# Altium PCB PCB3.PcbDoc (part 4 of 4) (continued)
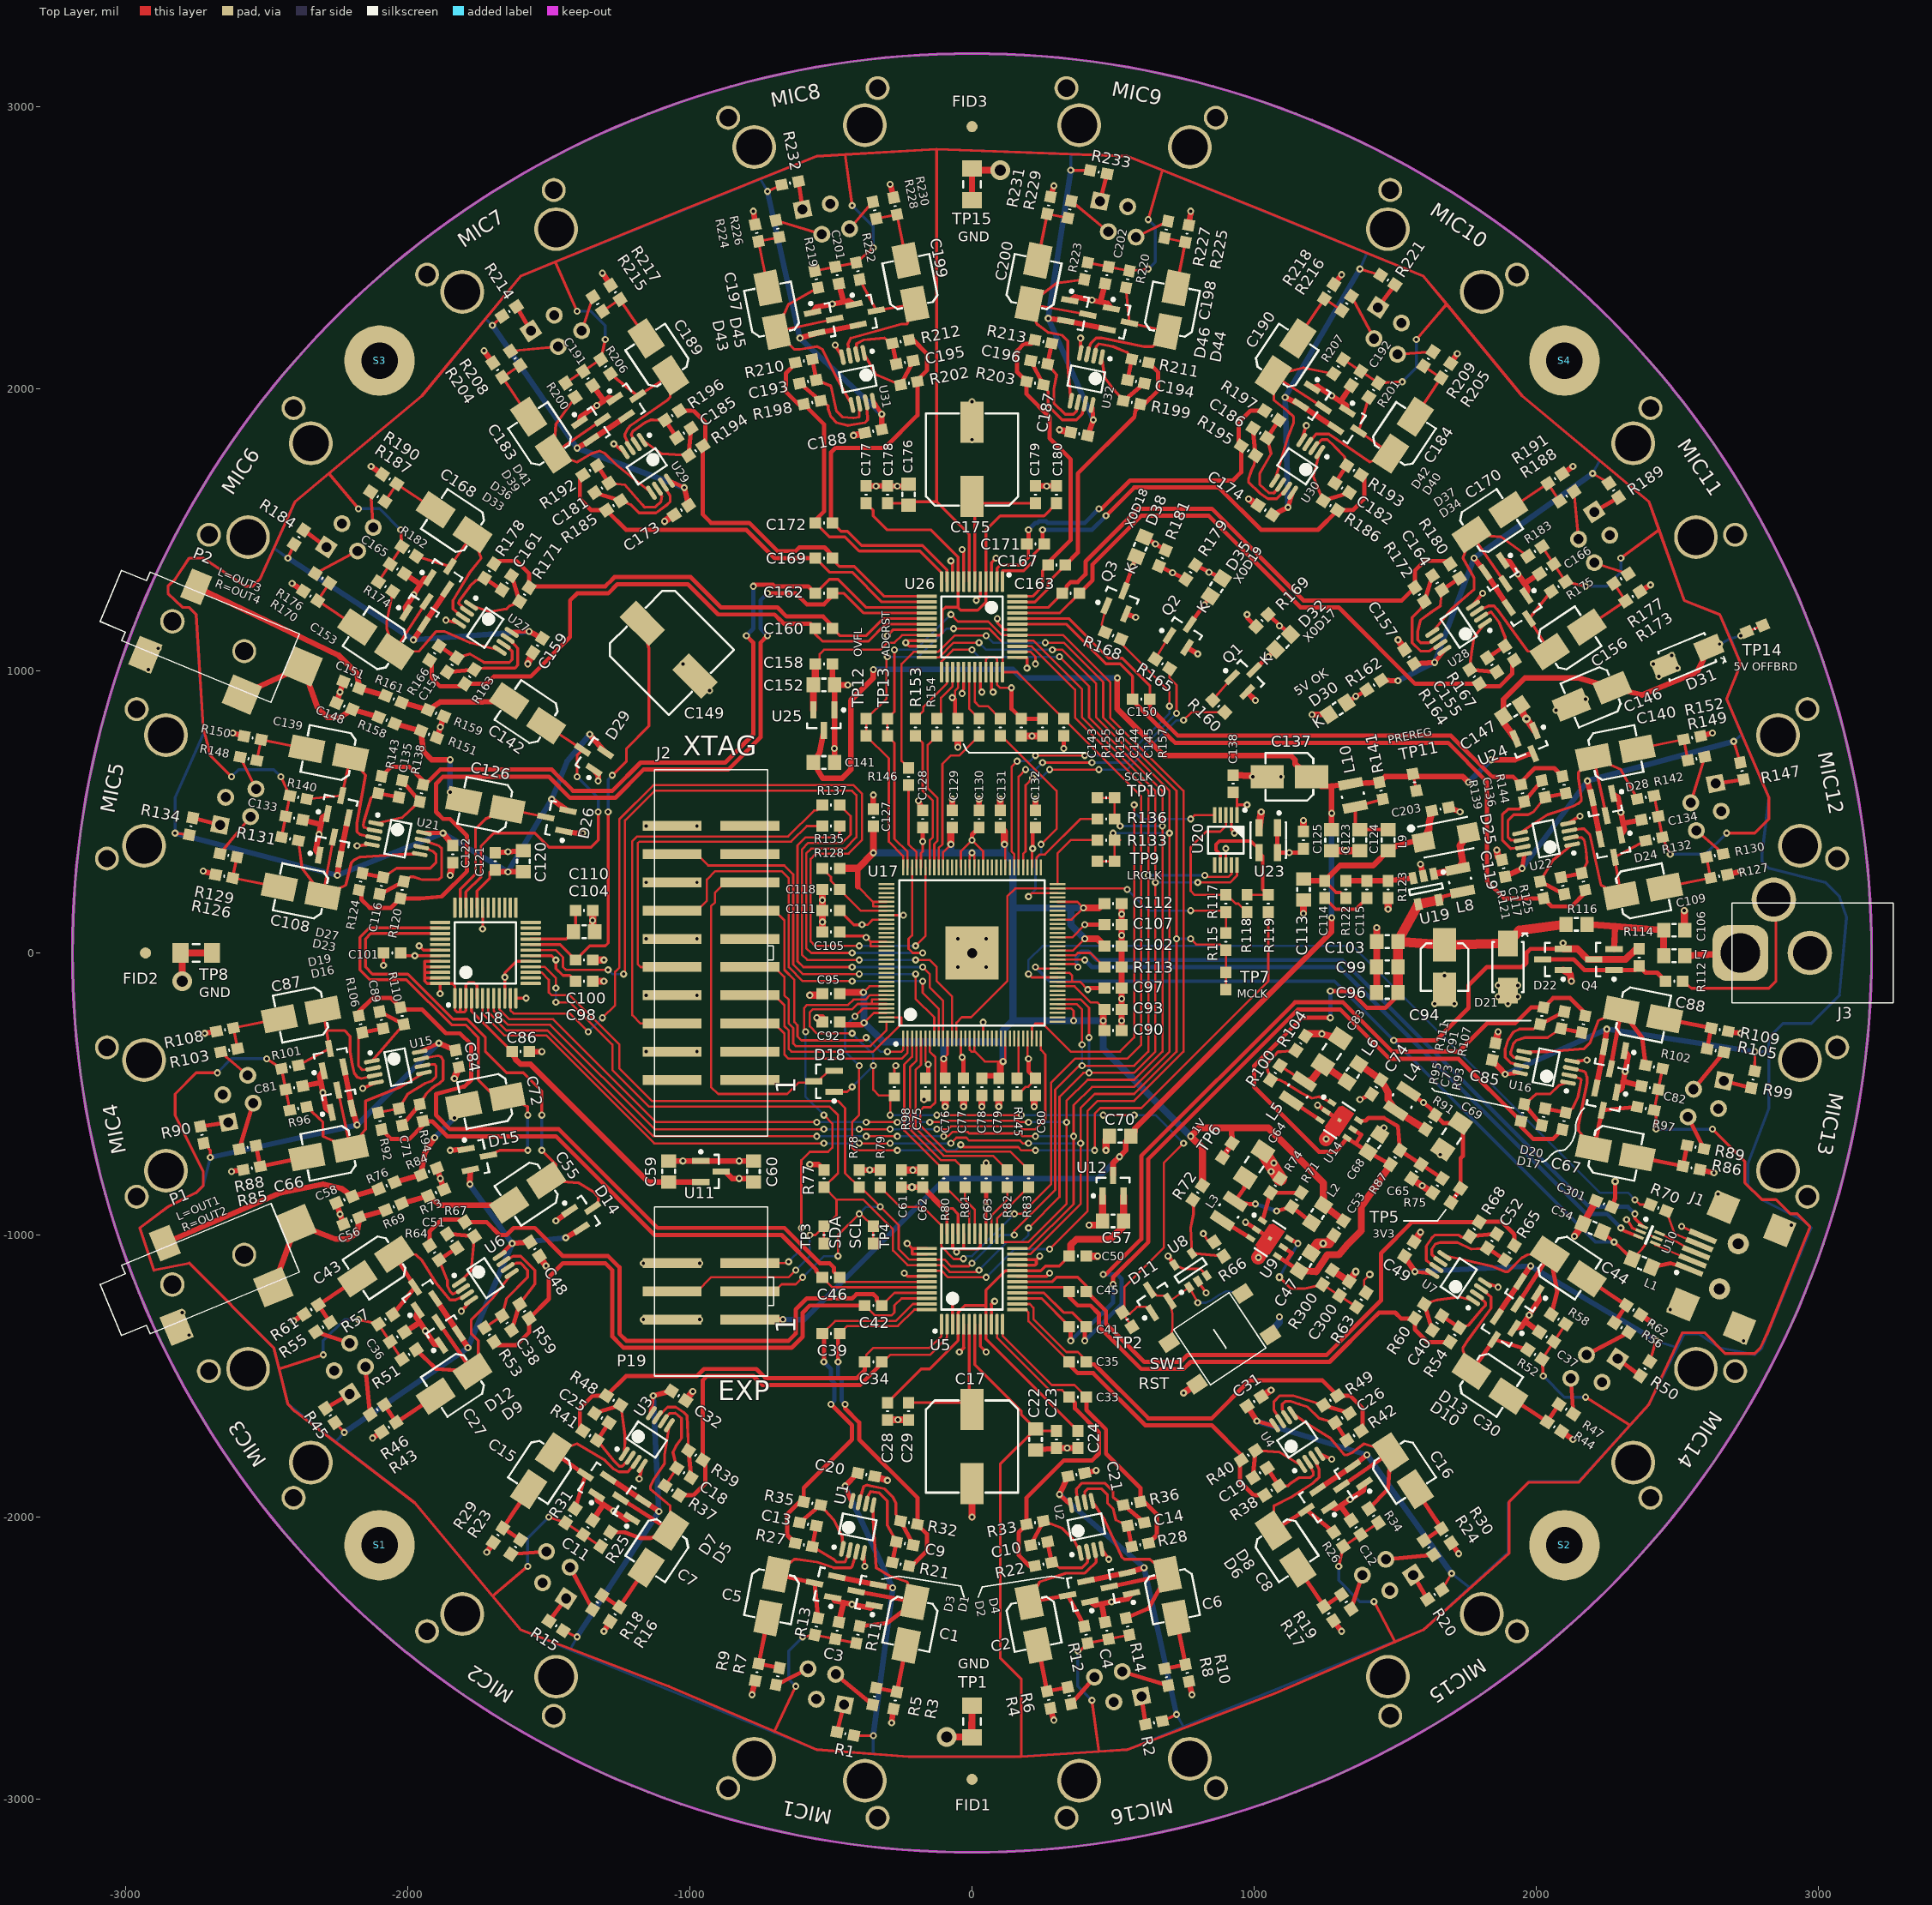
[diagram p0: Top Layer view]
## Nets (pads, with @x,y where several pads share a name; then routed paths per layer and width w, separated by ;. In a path a pad name is that pad's centre, name@x,y a point inside that pad or via, vN(x,y) a via of type N, cw(c..) or ccw(c..) an arc to the next point about the centre after c; other vN are vias at no path point) (continued)
  Bottom Layer w8: v1(-425,-475) v1(-350,-400) -350,-360 v1(-425,-285) ; v1(-290,-575) v1(-125,-575) ; v1(175,-575) v1(465,-575) ; v1(575,-575) 650,-575 v1(750,-675)
NetD11_2: D11.2 D11.3 SW1.1 SW2.1 U8.1 | length 554.9
  Top Layer w8: D11.3@629.77,-1194.72 634.72,-1194.72 655,-1215 681.83,-1215 D11.2@701.33,-1234.5 ; SW1.1@699.03,-1381.36 710,-1335 710,-1280 D11.2@701.33,-1234.5 ; v1(800,-1240) U8.1@770.15,-1185.06 D11.2@701.33,-1234.5
  Bottom Layer w8: v1(800,-1240) 830,-1240 850,-1230 880,-1210 900,-1200 910,-1200 SW2.1@959.27,-1207.47
NetD22_3: D22.3 Q4.G R112.2 R114.1 | length 478.8
  Top Layer w15: D22.3@2022.88,-22.96 2132.96,-22.96 2170.55,-60.55 Q4.G@2276,-60.55 2350.7,-60.55 R114.1@2364.39,-46.85 2387.54,-70 2428.93,-70 R112.2@2458.6,-99.68
NetD25_A: D25.A L8.2 U19.1 | length 231
  Top Layer w25: U19.1@1636.61,280.08 L8.2@1722.17,298.01 1740,320 1730,380 D25.A@1759.44,425.8
NetD30_A: D30.A D103.A R162.1 | length 125.8
  Top Layer w15: D30.A@1327.34,886.9 R162.1@1399.63,933.05
  Bottom Layer w15: D103.A@1327.34,886.9 v1(1360,910)
NetD32_A: D32.A D100.A R169.1 | length 156
  Top Layer w15: R169.1@1050,1200 D32.A@1128.81,1128.81
  Bottom Layer w15: v1(1090,1160) D100.A@1128.81,1128.81
NetD32_K: D32.K D100.K Q1.D | length 141.9
  Top Layer w15: Q1.D@1000.06,1002.95 D32.K@1075.92,1075.92
  Bottom Layer w15: v1(1050,1050) D100.K@1075.92,1075.92
NetD35_A: D35.A D102.A R179.1 | length 158.5
  Top Layer w15: R179.1@791.95,1375.37 D35.A@886.9,1327.34
  Bottom Layer w15: v1(840,1350) D102.A@886.9,1327.34
NetD35_K: D35.K D102.K Q2.D | length 162.9
  Top Layer w15: Q2.D@771.56,1164.78 822.67,1234.3 D35.K@845.34,1265.14
  Bottom Layer w15: v1(823.61,1233.61) D102.K@845.34,1265.14
NetD38_A: D38.A D101.A R181.1 | length 135.3
  Top Layer w15: D38.A@610.91,1474.86 R181.1@686.68,1428.19
  Bottom Layer w15: D101.A@610.91,1474.86 v1(650,1450)
NetD38_K: D38.K D101.K Q3.D | length 167.4
  Top Layer w15: Q3.D@538.94,1283.65 569.64,1370.13 D38.K@582.28,1405.75
  Bottom Layer w15: v1(570,1370) D101.K@582.28,1405.75
NetJ1_1: J1.1 L1.2 | length 137.7
  Top Layer w15: L1.2@2409.55,-1114.31 2475,-1100 J1.1@2542.39,-1121.27
NetJ1_4: J1.4 R70.1 | length 181.3
  Top Layer w8: R70.1@2460.99,-915.61 2490,-995 J1.4@2578.55,-1033.98
NetJ3_1: J3.1 L7.1 | length 197.6
  Top Layer w25: L7.1@2526.61,-9.54 J3.1@2723.94,0
NetJ3_3: J3.3 R112.1 | length 639.3
  Top Layer w10: R112.1@2519.63,-99.68 2550,-125 2825,-125 2850,-100 2850,110 J3.3@2842.05,188.98
NetL3_1: L3.1 U9.3 | length 118
  Top Layer w15: L3.1@887.66,-949.34 U9.3@987.89,-1011.58
NetL5_1: L5.1 U14.3 | length 123
  Top Layer w15: L5.1@1132.03,-524.37 U14.3@1234.29,-592.67
NetMIC1_1: MIC1.1 R1.1 | length 100.2
  Top Layer w15: R1.1@-478.64,-2762.46 MIC1.1@-453.72,-2665.45
NetMIC1_2: MIC1.2 R5.1 | length 170.2
  Top Layer w15: MIC1.2@-483.25,-2557.62 R5.1@-351.84,-2665.85
NetMIC1_4: MIC1.4 R7.1 | length 126.7
  Top Layer w15: R7.1@-694.58,-2594.87 MIC1.4@-581.33,-2538.11
NetMIC2_1: MIC2.1 R15.1 | length 100.2
  Top Layer w15: R15.1@-1499.35,-2369.01 MIC2.1@-1439.21,-2288.93
NetMIC2_2: MIC2.2 R18.1 | length 170.2
  Top Layer w15: MIC2.2@-1425.23,-2178 R18.1@-1345.24,-2328.28
NetMIC2_4: MIC2.4 R23.1 | length 126.7
  Top Layer w15: R23.1@-1634.72,-2131.54 MIC2.4@-1508.37,-2122.44
NetMIC3_1: MIC3.1 R45.1 | length 100.2
  Top Layer w15: R45.1@-2291.8,-1614.9 MIC3.1@-2205.59,-1563.93
NetMIC3_2: MIC3.2 R46.1 | length 170.2
  Top Layer w15: MIC3.2@-2150.22,-1466.8 R46.1@-2133.83,-1636.25
NetMIC3_4: MIC3.4 R55.1 | length 126.7
  Top Layer w15: R55.1@-2325.99,-1343.71 MIC3.4@-2205.78,-1383.65
NetMIC4_1: MIC4.1 R90.1 | length 100.2
  Top Layer w15: R90.1@-2735.35,-614.94 MIC4.1@-2636.19,-600.84
NetMIC4_2: MIC4.2 R88.1 | length 170.2
  Top Layer w15: R88.1@-2597.57,-695.12 MIC4.2@-2547.87,-532.29
NetMIC4_4: MIC4.4 R103.1 | length 126.7
  Top Layer w10: R103.1@-2663.15,-351.3 MIC4.4@-2567.38,-434.21
NetMIC5_1: MIC5.1 R134.1 | length 100.2
  Top Layer w15: R134.1@-2762.46,478.64 MIC5.1@-2665.46,453.72
NetMIC5_2: MIC5.2 R129.1 | length 170.2
  Top Layer w10: R129.1@-2665.85,351.83 MIC5.2@-2557.62,483.25
NetMIC5_4: MIC5.4 R148.1 | length 126.7
  Top Layer w10: R148.1@-2594.87,694.58 MIC5.4@-2538.11,581.33
NetMIC6_1: MIC6.1 R184.1 | length 100.2
  Top Layer w15: R184.1@-2369.03,1499.35 MIC6.1@-2288.93,1439.21
NetMIC6_2: MIC6.2 R176.1 | length 170.2
  Top Layer w10: R176.1@-2328.28,1345.24 MIC6.2@-2178,1425.23
NetMIC6_4: MIC6.4 R187.1 | length 126.7
  Top Layer w10: R187.1@-2131.54,1634.72 MIC6.4@-2122.44,1508.37
NetMIC7_1: MIC7.1 R214.1 | length 100.1
  Top Layer w15: R214.1@-1614.91,2291.8 MIC7.1@-1563.94,2205.59
NetMIC7_2: MIC7.2 R208.1 | length 170.2
  Top Layer w10: R208.1@-1636.25,2133.83 MIC7.2@-1466.81,2150.22
NetMIC7_4: MIC7.4 R215.1 | length 126.7
  Top Layer w10: MIC7.4@-1383.66,2205.78 R215.1@-1343.71,2325.99
NetMIC8_1: MIC8.1 R232.1 | length 100.2
  Top Layer w15: R232.1@-614.94,2735.35 MIC8.1@-600.84,2636.19
NetMIC8_2: MIC8.2 R226.1 | length 170.2
  Top Layer w10: R226.1@-695.12,2597.57 MIC8.2@-532.29,2547.87
NetMIC8_4: MIC8.4 R228.1 | length 126.7
  Top Layer w10: MIC8.4@-434.21,2567.38 R228.1@-351.3,2663.15
NetMIC9_1: MIC9.1 R233.1 | length 100.2
  Top Layer w15: MIC9.1@453.72,2665.46 R233.1@478.64,2762.46
NetMIC9_2: MIC9.2 R229.1 | length 170.2
  Top Layer w10: R229.1@351.84,2665.85 MIC9.2@483.25,2557.62
NetMIC9_4: MIC9.4 R227.1 | length 126.7
  Top Layer w10: MIC9.4@581.33,2538.11 R227.1@694.58,2594.87
NetMIC10_1: MIC10.1 R221.1 | length 100.2
  Top Layer w15: MIC10.1@1439.21,2288.93 R221.1@1499.35,2369.03
NetMIC10_2: MIC10.2 R216.1 | length 170.2
  Top Layer w10: R216.1@1345.24,2328.28 MIC10.2@1425.23,2178
NetMIC10_4: MIC10.4 R209.1 | length 126.7
  Top Layer w10: MIC10.4@1508.37,2122.44 R209.1@1634.72,2131.54
NetMIC11_1: MIC11.1 R189.1 | length 100.2
  Top Layer w15: MIC11.1@2205.59,1563.93 R189.1@2291.8,1614.91
NetMIC11_2: MIC11.2 R188.1 | length 170.2
  Top Layer w10: R188.1@2133.83,1636.25 MIC11.2@2150.22,1466.8
NetMIC11_4: MIC11.4 R177.1 | length 126.7
  Top Layer w10: MIC11.4@2205.78,1383.65 R177.1@2325.99,1343.71
NetMIC12_1: MIC12.1 R147.1 | length 100.2
  Top Layer w15: MIC12.1@2636.19,600.84 R147.1@2735.35,614.96
NetMIC12_2: MIC12.2 R149.1 | length 170.2
  Top Layer w10: MIC12.2@2547.87,532.29 R149.1@2597.57,695.12
NetMIC12_4: MIC12.4 R130.1 | length 126.7
  Top Layer w10: MIC12.4@2567.38,434.21 R130.1@2663.15,351.3
NetMIC13_1: MIC13.1 R99.1 | length 100.2
  Top Layer w15: MIC13.1@2665.45,-453.72 R99.1@2762.46,-478.64
NetMIC13_2: MIC13.2 R105.1 | length 170.2
  Top Layer w15: MIC13.2@2557.62,-483.25 R105.1@2665.85,-351.84
NetMIC13_4: MIC13.4 R89.1 | length 126.7
  Top Layer w15: MIC13.4@2538.11,-581.33 R89.1@2594.87,-694.58
NetMIC14_1: MIC14.1 R50.1 | length 100.2
  Top Layer w15: MIC14.1@2288.93,-1439.21 R50.1@2369.01,-1499.35
NetMIC14_2: MIC14.2 R56.1 | length 170.2
  Top Layer w15: MIC14.2@2178,-1425.23 R56.1@2328.28,-1345.24
NetMIC14_4: MIC14.4 R47.1 | length 126.7
  Top Layer w15: MIC14.4@2122.44,-1508.37 R47.1@2131.54,-1634.72
NetMIC15_1: MIC15.1 R20.1 | length 100.2
  Top Layer w15: MIC15.1@1563.93,-2205.59 R20.1@1614.9,-2291.8
NetMIC15_2: MIC15.2 R24.1 | length 170.2
  Top Layer w15: MIC15.2@1466.8,-2150.22 R24.1@1636.25,-2133.83
NetMIC15_4: MIC15.4 R19.1 | length 126.7
  Top Layer w15: R19.1@1343.71,-2325.99 MIC15.4@1383.65,-2205.78
NetMIC16_1: MIC16.1 R2.1 | length 100.2
  Top Layer w15: MIC16.1@600.84,-2636.19 R2.1@614.94,-2735.35
NetMIC16_2: MIC16.2 R8.1 | length 170.2
  Top Layer w15: MIC16.2@532.29,-2547.87 R8.1@695.12,-2597.57
NetMIC16_4: MIC16.4 R6.1 | length 126.7
  Top Layer w15: R6.1@351.3,-2663.15 MIC16.4@434.21,-2567.38
NetP19_5: P19.5 U17.122 | length 1493.5
  Top Layer w8: P19.5@-787.05,-1100 -655,-1100 v1(-650,-1095) ; v1(-605,-975) -605,-735 -575,-705 -510,-705 -495,-690 -495,-605 v1(-525,-575) ; v1(-590,-280) -595,-275 -595,-195 -584.5,-184.5 -439.5,-184.5 -420,-165 -376.77,-165 -361.37,-149.61 U17.122@-303.15,-149.61
  Bottom Layer w8: v1(-650,-1095) -605,-1050 v1(-605,-975) ; v1(-590,-280) -590,-510 v1(-525,-575)
NetQ1_G: Q1.G R160.2 | length 106.4
  Top Layer w8: R160.2@853.42,896.58 Q1.G@922.11,977.89
NetQ2_G: Q2.G R165.2 | length 97.1
  Top Layer w8: R165.2@649.63,1041.95 Q2.G@700,1125
NetQ3_G: Q3.G R168.2 | length 98.4
  Top Layer w8: R168.2@471.81,1136.68 460,1165 Q3.G@476.51,1230.67
NetR66_1: R66.1 R72.2 U8.4 | length 303.3
  Top Layer w10: R72.2@783.05,-875.37 785,-925 775,-975 U8.4@779.85,-1064.94 R66.1@891.95,-1075.37
NetR70_2: R70.2 U17.43 | length 2763.2
  Top Layer w8: v1(200,-75) 211.61,-86.61 U17.43@303.15,-86.61 ; v1(2350,-875) 2367.26,-892.26 R70.2@2404.61,-892.26
  Bottom Layer w8: v1(200,-75) 200,-25 250,25 1350,25 2225,-850 2325,-850 v1(2350,-875)
NetR71_2: R71.2 R74.1 U9.1 | length 212
  Top Layer w15: U9.1@1029.45,-949.38 R74.1@1058.05,-850.37 R71.2@1166.95,-849.63
NetR79_2: R79.2 R157.2 TP12.1 TP12.2 U5.36 U17.96 U26.36 | length 4569.1
  Top Layer w8: R79.2@-325,-830.51 -255.51,-900 -175,-900 -108.27,-966.73 U5.36@-108.27,-995.67 -108.27,-1041.73 -65,-1085 -35,-1085 -30.83,-1080.83 v1(-30.83,-1084.17) ; v1(-300,1050) -303.15,1046.85 -303.15,901.85 -375,830 TP12.1@-375,769.49 -295,689.49 -295,395 -244.09,344.09 U17.96@-244.09,303.15 ; v1(-65,1150) 60,1150 108.27,1101.73 U26.36@108.27,995.67 159.84,995.67 R157.2@325,830.51 600,555.51 600,-325 550,-375 365,-375 280,-460 280,-820 175,-925 v1(150,-925)
  Bottom Layer w8: v1(-300,1050) -190,1050 -90,1150 v1(-65,1150) ; v1(-30.83,-1084.17) -30.83,-1080.83 -25,-1075 0,-1075 v1(150,-925)
NetR80_1: R80.1 U5.31 | length 205.7
  Top Layer w8: R80.1@-100,-830.51 -94.49,-830.51 -9.84,-915.16 U5.31@-9.84,-995.67
NetR81_1: R81.1 U5.30 | length 179.6
  Top Layer w8: R81.1@-25,-830.51 -25,-875 9.84,-909.84 U5.30@9.84,-995.67
NetR82_1: R82.1 U5.27 | length 188.4
  Top Layer w8: U5.27@68.9,-995.67 68.9,-931.1 125,-875 R82.1@125,-830.51
NetR83_1: R83.1 U5.26 | length 211.3
  Top Layer w8: U5.26@88.58,-995.67 88.58,-941.93 R83.1@200,-830.51
NetR100_2: R100.2 R104.1 U14.1 | length 420.6
  Top Layer w10: R104.1@1148.05,-345.37 1095,-350 1085,-350 1045,-395 1045,-405 R100.2@1058.05,-450.37 1085,-450 1090,-450 1110,-460 1165,-495 1205,-515 1230,-510 U14.1@1275.85,-530.47
NetR113_2: R113.2 U17.48 | length 190.3
  Top Layer w8: U17.48@303.15,-7.87 367.13,-7.87 375,0 419.49,0 R113.2@469.49,-50
NetR117_1: R117.1 R118.2 U20.3 | length 580.9
  Top Layer w8: U20.3@900,488.58 900,450 880,430 830,430 775,375 775,220 789.49,205.51 R117.1@900,205.51 904.49,205.51 935,175 944.49,175 R118.2@975,144.49
NetR118_1: R118.1 R119.1 U20.7 U23.3 | length 500.1
  Top Layer w8: R118.1@975,205.51 R119.1@1050,205.51
  Top Layer w11: U20.7@880.32,311.42 880.32,349.69
  Top Layer w12: 880.32,349.69 865,365 865,385 877,397 988,397 1017.52,367.48 U23.3@1017.52,355.71 1030,343.23 1030,225.51 R119.1@1050,205.51
NetR119_2: R119.2 U17.125 | length 2699
  Top Layer w8: v1(-415,-225) -386.85,-196.85 U17.125@-303.15,-196.85 ; v1(-400,-400) -400,-575 -425,-600 -425,-690 -415,-700 v1(-265,-700) ; v1(-40,-680) -31.5,-688.5 163.5,-688.5 175,-700 v1(225,-700) ; v1(435,-700) 435,-570 455,-550 600,-550 1050,-100 R119.2@1050,144.49
  Bottom Layer w8: v1(-415,-225) -450,-260 -450,-350 v1(-400,-400) ; v1(-265,-700) -60,-700 v1(-40,-680) ; v1(225,-700) v1(435,-700)
NetR133_2: R133.2 U17.64 | length 269.8
  Top Layer w8: U17.64@303.15,244.09 303.15,353.15 350,400 R133.2@444.49,400
NetR135_2: R135.2 U17.10 | length 1340.9
  Top Layer w8: R135.2@-469.49,450 -469.49,420.51 -480,410 -590,410 -618.5,381.5 -618.5,-29.6 -598.1,-50 v1(-425,-50) ; v1(-175,-50) -150,-75 -150,-122 -102.36,-169.64 U17.10@-102.36,-303.15
  Bottom Layer w8: v1(-425,-50) v1(-175,-50)
NetR136_2: R136.2 U17.66 | length 307.4
  Top Layer w8: U17.66@228.35,303.15 228.35,337.35 240,349 259,349 385,475 R136.2@444.49,475
NetR137_2: R137.2 U17.12 | length 1461.2
  Top Layer w8: R137.2@-469.49,525 -430,485.51 -430,420 -460,390 -580,390 -603,367 -603,-6.1 -584.1,-25 v1(-400,-25) ; v1(-200,-25) -150,-25 -125,-50 -125,-100 -70.87,-154.13 U17.12@-70.87,-303.15
  Bottom Layer w8: v1(-400,-25) v1(-200,-25)
NetR145_2: R145.2 U17.27 | length 143.6
  Top Layer w8: R145.2@160,-444.49 165.35,-439.13 U17.27@165.35,-303.15
NetR146_1: R146.1 U17.93 | length 303
  Top Layer w8: R146.1@-225,594.49 -225,385 -196.85,356.85 U17.93@-196.85,303.15
NetR153_1: R153.1 U26.26 | length 211.3
  Top Layer w8: R153.1@-200,830.51 -172.15,858.37 -172.15,872.85 -88.58,956.42 U26.26@-88.58,995.67
NetR154_1: R154.1 U26.27 | length 188.4
  Top Layer w8: R154.1@-125,830.51 -110,845.51 -110,905 -68.9,946.1 U26.27@-68.9,995.67
NetR155_1: R155.1 U26.30 | length 179.6
  Top Layer w8: U26.30@-9.84,995.67 -9.84,865.35 R155.1@25,830.51
NetR156_1: R156.1 U26.31 | length 220.4
  Top Layer w8: U26.31@9.84,995.67 9.84,890.16 25,875 55.51,875 R156.1@100,830.51
NetR160_1: R160.1 U17.69 | length 1109.2
  Top Layer w8: U17.69@181.1,303.15 181.1,351.1 189.77,359.77 189.77,594.77 v1(215,620) ; v1(275,650) v1(450,650) ; v1(750,825) 778.42,853.42 R160.1@896.58,853.42
  Bottom Layer w8: v1(215,620) 245,620 v1(275,650) ; v1(450,650) 550,650 725,825 v1(750,825)
NetR165_1: R165.1 U17.70 | length 1143.2
  Top Layer w8: U17.70@165.35,303.15 165.35,625.35 v1(190,650) ; v1(250,675) v1(425,675) ; R165.1@700.37,1008.05 700.37,974.63 725,950 v1(725,850)
  Bottom Layer w8: v1(190,650) 225,650 v1(250,675) ; v1(425,675) 550,675 v1(725,850)
NetR168_1: R168.1 U17.71 | length 1334
  Top Layer w8: U17.71@149.61,303.15 149.61,350.39 140,360 140,660 v1(160,680) ; v1(225,700) v1(400,700) ; R168.1@528.19,1113.32 528.19,1096.81 700,925 v1(700,875)
  Bottom Layer w8: v1(160,680) 205,680 v1(225,700) ; v1(400,700) 550,700 700,850 v1(700,875)
NetTP13_1: TP13.1 TP13.2 U5.41 U17.95 U26.41 | length 4605.2
  Top Layer w8: v1(-275,1075) -275,855 -300,830 TP13.1@-300,769.49 -275,744.49 -275,405 -228.35,358.35 U17.95@-228.35,303.15 ; U5.41@-160.43,-1126.57 -108.43,-1126.57 -85,-1150 v1(50,-1150) ; v1(-75,1200) -50,1175 57.63,1175 106.05,1126.57 U26.41@160.43,1126.57 323.43,1126.57 490,960 490,835 750,575 750,-350 575,-525 445,-525 410,-560 410,-915 v1(275,-1050)
  Bottom Layer w8: v1(-275,1075) -200,1075 v1(-75,1200) ; v1(50,-1150) 150,-1050 v1(275,-1050)
NetU17_15: U17.15
NetU17_18: U17.18
NetU17_20: U17.20
NetU17_21: U17.21
NetU17_30: U17.30 U20.5 | length 1622
  Top Layer w8: U17.30@212.6,-303.15 212.6,-262.4 225,-250 250,-250 350,-350 525,-350 575,-300 v1(575,525) ; v1(775,475) 788.58,488.58 U20.5@860.63,488.58
  Bottom Layer w8: v1(575,525) 575,500 600,475 v1(775,475)
NetU17_57: U17.57
NetU17_58: U17.58
NetU17_59: U17.59
NetU17_61: U17.61
NetU17_68: U17.68
NetU17_72: U17.72
NetU17_74: U17.74
NetU17_85: U17.85
NetU17_86: U17.86
NetU17_94: U17.94 U18.19 | length 3257.6
  Top Layer w8: U18.19@-1564.57,9.84 -1474.84,9.84 -1450,-15 -1450,-50 -1440,-60 v1(-1290,-60) ; v1(-1235,-75) -1230,-70 -1230,470 -1125,575 -425,575 -410,560 -410,410 -450,370 -570,370 -587.5,352.5 -587.5,17.4 -570.1,0 v1(-425,0) ; U17.94@-212.6,303.15 -212.6,62.4 -225,50 -225,15 -210,0 v1(-175,0)
  Bottom Layer w8: v1(-1290,-60) -1275,-75 v1(-1235,-75) ; v1(-425,0) v1(-175,0)
NetU17_97: U17.97
NetU17_98: U17.98
NetU17_99: U17.99
NetU17_100: U17.100
NetU17_106: U17.106
NetU17_107: U17.107
NetU17_108: U17.108
NetU17_109: U17.109
NetU17_112: U17.112
NetU17_113: U17.113
NetU17_114: U17.114
NetU17_115: U17.115
NetU17_116: U17.116
NetU17_117: U17.117
NetU17_118: U17.118
NetU17_119: U17.119
NetU17_121: U17.121
NetU18_13: U18.13
NetU18_14: U18.14
NetU18_24: U18.24
NetU18_25: U18.25
NetU18_28: U18.28
NetU18_29: U18.29
SCLK: R136.1 TP10.1 TP10.2 U5.25 U18.9 U26.25 | length 5661.9
  Top Layer w8: U18.9@-1675.79,-160.43 -1675.79,-199.21 -1640,-235 -1485,-235 -1120,-600 v1(-550,-600) ; v1(-375,-600) v1(-265,-600) ; v1(-149.76,-600) -148.76,-599 -109,-599 -105,-595 161.06,-595 165.06,-599 199,-599 v1(200,-600) ; U26.25@-108.27,995.67 -108.27,1033.73 -67,1075 v1(0,1075) ; U5.25@108.27,-995.67 108.27,-1025 200,-1025 335,-890 335,-525 410,-450 575,-450 675,-350 v1(675,450) 675,575 415,835 415,945 v1(310,1050) ; TP10.2@444.49,550 TP10.1@505.51,550 R136.1@505.51,475 v1(525,450)
  Bottom Layer w8: v1(-550,-600) v1(-375,-600) ; v1(-265,-600) v1(-149.76,-600) ; v1(0,1075) 25,1050 v1(310,1050) ; v1(200,-600) v1(335,-600) ; v1(525,450) v1(675,450)
TCK: J2.9 U17.128 | length 772.6
  Top Layer w8: J2.9@-787.05,-50 -700,-50 -665.1,-84.9 -665.1,-149.9 -649.5,-165.5 -649.5,-250.5 -634,-266 -634,-321 -625,-330 -360,-330 -303.15,-273.15 U17.128@-303.15,-244.09
TDI: J2.5 U17.2 | length 713.6
  Top Layer w8: J2.5@-787.05,-250 -700,-250 -665,-285 -665,-360 -650,-375 -250,-375 -228.35,-353.35 U17.2@-228.35,-303.15
TDO: J2.13 U17.1 | length 1015.5
  Top Layer w8: J2.13@-787.05,150 -700,150 -665,115 -665,-60 -630,-95 -630,-245 -618.5,-256.5 -618.5,-296.5 -605,-310 -385,-310 v1(-375,-300) ; v1(-300,-350) -250,-350 -244.09,-344.09 U17.1@-244.09,-303.15
  Bottom Layer w8: v1(-375,-300) -325,-350 v1(-300,-350)
TMS: J2.7 U17.127 | length 818.1
  Top Layer w8: J2.7@-787.05,-150 -700,-150 -665,-185 -665,-260 -649.5,-275.5 -649.5,-340.5 -640,-350 -350,-350 -250,-250 -250,-228.35 U17.127@-303.15,-228.35
USB_D_N: U10.3 U17.47 | length 2462.3
  Top Layer w8: U17.47@303.15,-23.62 398.62,-23.62 v1(400,-25)
  Top Layer w11.8: v1(2300,-975) 2310,-985 U10.3@2363.19,-1006.06
  Bottom Layer w15: v1(400,-25) 425,-50 1302.14,-50 2177.14,-925 2250,-925 v1(2300,-975)
USB_D_P: U10.1 U17.46 | length 2544.6
  Top Layer w8: U17.46@303.15,-39.37 364.37,-39.37 v1(375,-50)
  Top Layer w11.8: 2350,-941.43 U10.1@2378.25,-969.69
  Top Layer w12: 2350,-941.43 v1(2350,-925)
  Bottom Layer w15: v1(375,-50) 370,-45 370,-12.57 387.57,5 412.43,5 442.43,-25 1312.5,-25 2187.5,-900 2325,-900 v1(2350,-925)
USB_DA_N: J1.2 U10.4 | length 144.5
  Top Layer w8: U10.4@2421.75,-1035.04 J1.2@2554.44,-1092.17
USB_DA_P: J1.3 U10.6 | length 147
  Top Layer w8: U10.6@2436.81,-993.94 2500,-1025 J1.3@2566.49,-1063.08
VIN: C47.1 C68.1 C94.+ C96.1 C99.1 C103.1 D21.K L8.1 R87.1 R116.2 U9.4 U9.5 U14.4 U14.5 U19.4 U19.5 | length 3342.3
  Top Layer w15: U9.4@1082.82,-1075.01 1112.82,-1095.01 ; U9.5@1103.6,-1043.91 1133.6,-1063.91 1112.82,-1095.01 ; C47.1@1160.08,-1126.63 1112.82,-1095.01 ; v1(1270,-230) 1170,-230 1000,-400 1000,-475 1230,-705 1290,-705 U14.4@1329.22,-656.1 1360,-676.62 ; v1(1270,-135) 1340,-135 1400,-195 1465,-195 1509.36,-150.64 C96.1@1509.36,-139.93 ; U14.5@1350,-625 1380,-645 1360,-676.62 ; R87.1@1483.05,-750.37 C68.1@1404.22,-706.1 1360,-676.62 ; U19.5@1655.05,187.4 1670,200 L8.1@1738.3,216.92
  Top Layer w25: C47.1@1160.08,-1126.63 1220,-1130 1260,-1070 1300,-1070 1330,-1035 1380,-985 1380,-900 R87.1@1483.05,-750.37
  Top Layer w35: C96.1@1509.36,-139.93 C99.1@1509.46,-49.79 C103.1@1509.55,40.35 ; U19.5@1655.05,187.4 U19.4@1581.68,172.81 C103.1@1509.55,40.35 ; R116.2@2105.24,101.77 1940,80 D21.K@1900,33.66 C94.+@1675,28.74 C103.1@1509.55,40.35
  Bottom Layer w15: v1(1270,-230) v1(1270,-135)
VIN_CONN: C106.1 L7.2 Q4.S R116.1 | length 442.7
  Top Layer w22: Q4.S@2276,14.26 2280,93.98
  Top Layer w25: R116.1@2180.04,101.77 2280,93.98 C106.1@2451.9,80.6 L7.2@2451.81,-9.54
VUSB: C54.1 D22.2 L1.1 Q4.D R114.2 U10.5 U17.45 | length 3918
  Top Layer w8: v1@230.12,-55.12 U17.45@303.15,-55.12 ; L1.1@2340.45,-1085.69 2375,-1050 2385,-1035 2400,-1000 U10.5@2429.28,-1012.13
  Top Layer w10: v1(225,-50) v1@230.12,-55.12
  Top Layer w12: C54.1@2234.55,-989.31 v1(2276,-1025) L1.1@2340.45,-1085.69
  Top Layer w15: v1(1495,-310) 1645,-310 1760,-195 1760,-115 1825,-50 1950,-50 1965,-35 1965,0 1979.45,14.45 D22.2@2095.72,14.45
  Top Layer w25: D22.2@2095.72,14.45 2145.55,14.45 2183.14,-23.14 Q4.D@2203.16,-23.14 2316.86,-23.14 2354.17,14.17 R114.2@2364.39,14.17
  Bottom Layer w12: v1(225,-50) 275,-100 1285,-100 2210,-1025 v1(2276,-1025)
  other v1: 2095,35
XL_DN0: J2.14 U17.9 | length 1562.7
  Top Layer w8: J2.14@-1062.95,150 -975,150 -940,185 -940,260 -910,290 -675,290 -649.5,264.5 -649.5,-50.5 -600,-100 v1(-425,-100) ; v1(-175,-100) -175,-141 -118.11,-197.89 U17.9@-118.11,-303.15
  Bottom Layer w8: v1(-425,-100) v1(-175,-100)
XL_DN1: J2.18 U17.8 | length 1481.9
  Top Layer w8: J2.18@-1062.95,350 -975,350 -935,310 -665.2,310 -634,278.8 -634,-41 -600,-75 v1(-400,-75) ; v1(-200,-75) -200,-162 -133.86,-228.14 U17.8@-133.86,-303.15
  Bottom Layer w8: v1(-400,-75) v1(-200,-75)
XL_UP0: J2.10 R135.1 | length 1234.7
  Top Layer w8: J2.10@-1062.95,-50 -1175,-50 -1185,-40 -1185,388.59 -1178.59,395 -640.71,395 -585.71,450 R135.1@-530.51,450
XL_UP1: J2.6 R137.1 | length 1497
  Top Layer w8: J2.6@-1062.95,-250 -1175,-250 -1204,-221 -1204,396 -1187,413 -652,413 -559.74,505.26 -550.26,505.26 R137.1@-530.51,525
XSYS_RST_N: D18.2 D18.3 J2.15 | length 1312.5
  Top Layer w8: J2.15@-787.05,250 -875,250 -911,214 -911,179 -925,165 -925,-475 -900,-500 -655,-500 -615,-460 D18.3@-561.42,-460 ; D18.3@-561.42,-455 -545,-455 -507.6,-417.6 D18.2@-488.58,-417.6
pads on no net: FID1.0 FID2.0 FID3.0 FID4.0 FID5.0 FID6.0 J1. J2.1 J2.2 J2.3 J2.11 J2.17 J2.19 P1. P2. SW1.3 SW1.4 SW2.3 SW2.4 U17.22 U17.23 U17.25 U17.26 U17.28 U17.31 U17.33 U17.34 U17.35 U17.39 U17.40 U17.50 U17.51 U17.53 U17.54 U17.55 U17.65 U17.75 U17.76 U17.77 U17.79 U17.82 U17.84 U18.22 U18.23 U18.26 U18.27 U18.30 U18.33 U18.36 U18.37 U18.40 U18.41 U20.4 U20.6

## Polygon pours and split planes (outlines as drawn)
GND on GND Plane "GND" (solid, remove dead copper, pour order 3): -3250,3250 3250,3250 3250,-3250 -3250,-3250
+3V3 on Signal Layer 2 "3V3" (solid, remove dead copper, pour order 2): -3580,3300 3800,3300 3820,-3820 -3580,-3810

## Keep-outs
Keep-Out Layer:
  circle w10: c0,0 r3188.98

## Silkscreen, mask and mechanical layers (free items; w line width, h text height)
Top Overlay:
  lines w6: -320,-2220 -260,-2210 -39.25,-2245.32 ; -39,-2246 -28,-2287 ; -30,740 -20,720 -10,710 400,710 ; 22,-2285 36,-2248 283,-2210 325,-2217 ; 1530,-950 1650,-950 1680,-910 ; 1630,-480 1640,-490 1920,-550 ; 1670,-250 1680,-240 1980,-240 ; 2020,-740 ccw(c2020,-715.86) 2037.07,-732.93 2055.86,-714.14 cw(c2090,-748.28) 2090,-700 ccw(c2090,-675.86) 2107.07,-692.93 2111.72,-688.28 ccw(c2043.43,-620) 2140,-620 cw(c2236.57,-620) 2168.28,-551.72 2170,-550
  text "MIC9" at 489.09,3022.66 h90 r348.75
  text "MIC8" at -704.86,2979.74 h90 r11.25
  text "MIC10" at 1608.58,2605.41 h90 r326.25
  text "GND" at -50,2510 h60
  text "MIC7" at -1791.51,2483.18 h90 r33.75
  text "MIC11" at 2483.18,1791.51 h90 r303.75
  text "MIC6" at -2605.41,1608.58 h90 r56.25
  text "X0D18" at 580,1500 h55 r67.5
  text "L=OUT3" at -2680,1330 h50 r337.5
  text "X0D19" at 960,1300 h55 r56.25
  text "R=OUT4" at -2690,1290 h50 r337.5
  text "X0D17" at 1200,1090 h55 r45
  text "OVFL" at -380,1050 h50 r90
  text "ADCRST" at -280,1050 h50 r90
  text "5V OFFBRD" at 2700,990 h50
  text "5V OK" at 1160,900 h55 r33.75
  text "PREREG" at 1480,730 h50 r11.25
  text "MIC12" at 2979.74,704.86 h90 r281.25
  text "XTAG" at -1025,675 h120
  text "SCLK" at 540,600 h50
  text "MIC5" at -3022.66,489.09 h90 r78.75
  text "LRCLK" at 550,250 h50
  text "GND" at -2740,-170 h60
  text "MCLK" at 940,-170 h50
  text "MIC13" at 3022.66,-489.09 h90 r258.75
  text "1V" at 810,-650 h50 r56.25
  text "MIC4" at -2979.74,-704.86 h90 r101.25
  text "L=OUT1" at -2810,-960 h50 r22.5
  text "R=OUT2" at -2790,-1000 h50 r22.5
  text "3V3" at 1420,-1020 h50
  text "SDA" at -450,-1050 h70 r90
  text "SCL" at -380,-1050 h70 r90
  text "RST" at 590,-1560 h70
  text "MIC14" at 2605.41,-1608.58 h90 r236.25
  text "EXP" at -900,-1610 h120
  text "MIC3" at -2483.18,-1791.51 h90 r123.75
  text "MIC15" at 1791.51,-2483.18 h90 r213.75
  text "GND" at -50,-2550 h60
  text "MIC2" at -1608.58,-2605.41 h90 r146.25
  text "MIC16" at 704.86,-2979.74 h90 r191.25
  text "MIC1" at -489.09,-3022.66 h90 r168.75
Bottom Overlay:
  drawing of 3356 lines, arcs and shapes, not listed
  text "X0D18" at 710,1570 h66 r337.5
  text "X0D19" at 1000,1400 h66 r326.25
  text "X0D17" at 1250,1180 h66 r315
  text "Audio out" at -2356,1156 h70 r67.5
  text "5V OK" at 1460,920 h66 r303.75
  text "+" at 2275,240 h100 r90
  text "5VDC / 1A" at 2454,-122 h70 r270
  text "-" at 2275,-140 h120 r90
  text "Aux. power" at 2551,-141 h70 r270
  text "2.5mm / 5.5mm" at 2368,-191 h70 r270
  text "Rev .RevisionGlobal" at -370,-530 h140
  text "16SoundsUSB" at 590,-530 h140
  text "Audio out" at -2477,-843 h70 r112.5
  text "USB to Host" at 2438,-1208 h70 r247.5
  text "cba" at 730,-1230 h500
  text "http://creativecommons.org" at 640,-1330 h120
  text "RESET" at 1175,-1550 h60 r33.75
Top Solder:
  lines w35: 1015,-1080 1020.78,-1070.47 ; 1255,-660 1261.3,-650.9
Mechanical 1:
  lines w6: 0,0 3126.97,1295.24
Mechanical 2:
  circle w10: c596.59,1440.31 r96.05
  circle w10: c1102.36,1102.36 r96.05
  circle w10: c866.12,1296.24 r96.05
  circle w10: c1296.24,866.12 r96.05
  circle w10: c878.36,-1368.07 r96.05
  circle w10: c2100,2100 r96.05
  circle w10: c-2100,2100 r96.05
  circle w10: c2100,-2100 r96.05
  circle w10: c-2100,-2100 r96.05
  circle w10: c0,0 r3188.98
  circle w10: c-2725.44,-1128.92 r96.05
  circle w10: c-2725.44,1128.92 r96.05
  circle w10: c2875,0 r96.05
  circle w10: c2725.44,-1128.92 r96.05
  lines w15: -50,0 50,0 ; 0,-50 0,50
  text "Overall diameter: 6380mils" at -575,3225 h100
  text "Mounting hole 1/4" at -1935,2135 h100
  text "Mounting hole 2/4" at 1560,1880 h100
  text "LED X0D18" at 635,1665 h100
  text "1560mils/67.5deg" at 630,1570 h100
  text "LED X0D19" at 985,1445 h100
  text "1560mils/56.25deg" at 980,1350 h100
  text "LED X0D17" at 1245,1175 h100
  text "1560mils/45deg" at 1240,1080 h100
  text "Audio out connector" at -2733.75,940 h100
  text "LED Power" at 1460,925 h100
  text "2950mils, 157.5deg" at -2733.75,855 h100
  text "1560mils/33.75deg" at 1445,835 h100
  text "Power connector" at 3266.25,75 h100
  text "2875mils, 0deg" at 3266.25,-10 h100
  text "X0, Y0 (dimensions in mils)" at 85,-180 h100
  text "Audio out connector" at -2583.75,-1195 h100
  text "USB connector" at 3001.25,-1225 h100
  text "Reset Button" at 990,-1275 h160
  text "2950mils, -157.5deg" at -2583.75,-1280 h100
  text "2950mils, -22.5deg" at 3001.25,-1310 h100
  text "1610mils/-57.3deg" at 995,-1400 h100
  text "Mounting hole 4/4" at 1610,-1935 h100
  text "Mounting hole 3/4" at -2245,-1955 h100
  text "LEDs and reset button can be mounted on top or bottom (default: top)" at -590,-3615 h160
  text "4x Mounting holes (130mils hole diameter, for #4-40) location are 2970mils, ±45deg, ±135deg" at -595,-3775 h160

## Text inside footprints (layer, text, board x,y; h text height)
D30: Top Overlay "K" at 1222.07,792.88 h40 r33.75
D32: Top Overlay "K" at 1043.9,1016.06 h40 r45
D35: Top Overlay "K" at 825.62,1200.19 h40 r56.25
D38: Top Overlay "K" at 575.61,1338.2 h40 r67.5
D100: Bottom Overlay "K" at 1016.06,1043.9 h40 r225
D101: Bottom Overlay "K" at 539.24,1353.27 h40 r247.5
D102: Bottom Overlay "K" at 792.88,1222.07 h40 r236.25
D103: Bottom Overlay "K" at 1200.19,825.62 h40 r213.75
J2: Top Overlay "1" at -625,-500 h70 r90
P19: Top Overlay "1" at -625,-1350 h70 r90